# Altium PCB Ic Tester.PcbDoc
Units mm, origin at the board's own origin, x right, y up, seen from the top; angles counter-clockwise.
Board outline 59.69 x 84.96 mm, 2 copper layers (Top Layer, Bottom Layer); 56 components, 57 nets, 208 pads, 0 vias.
Unrouted connection lines stored in the file: 120.
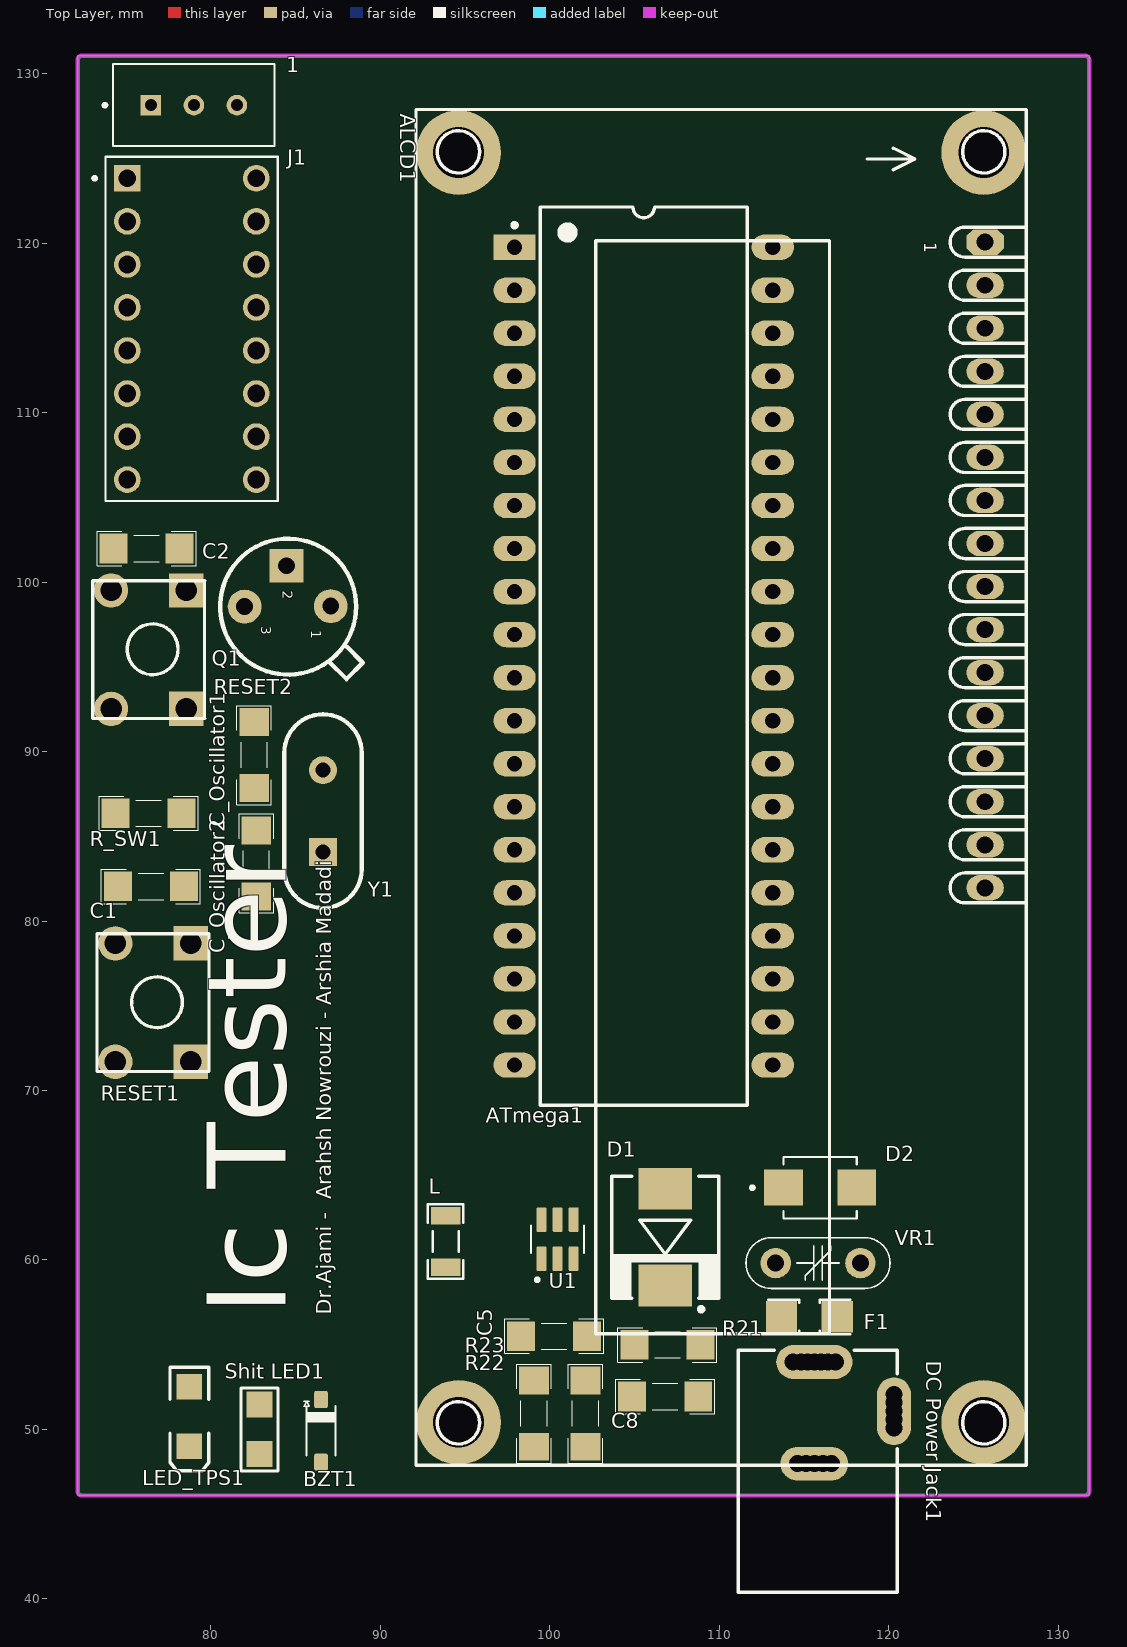
[diagram p0: Top Layer view]
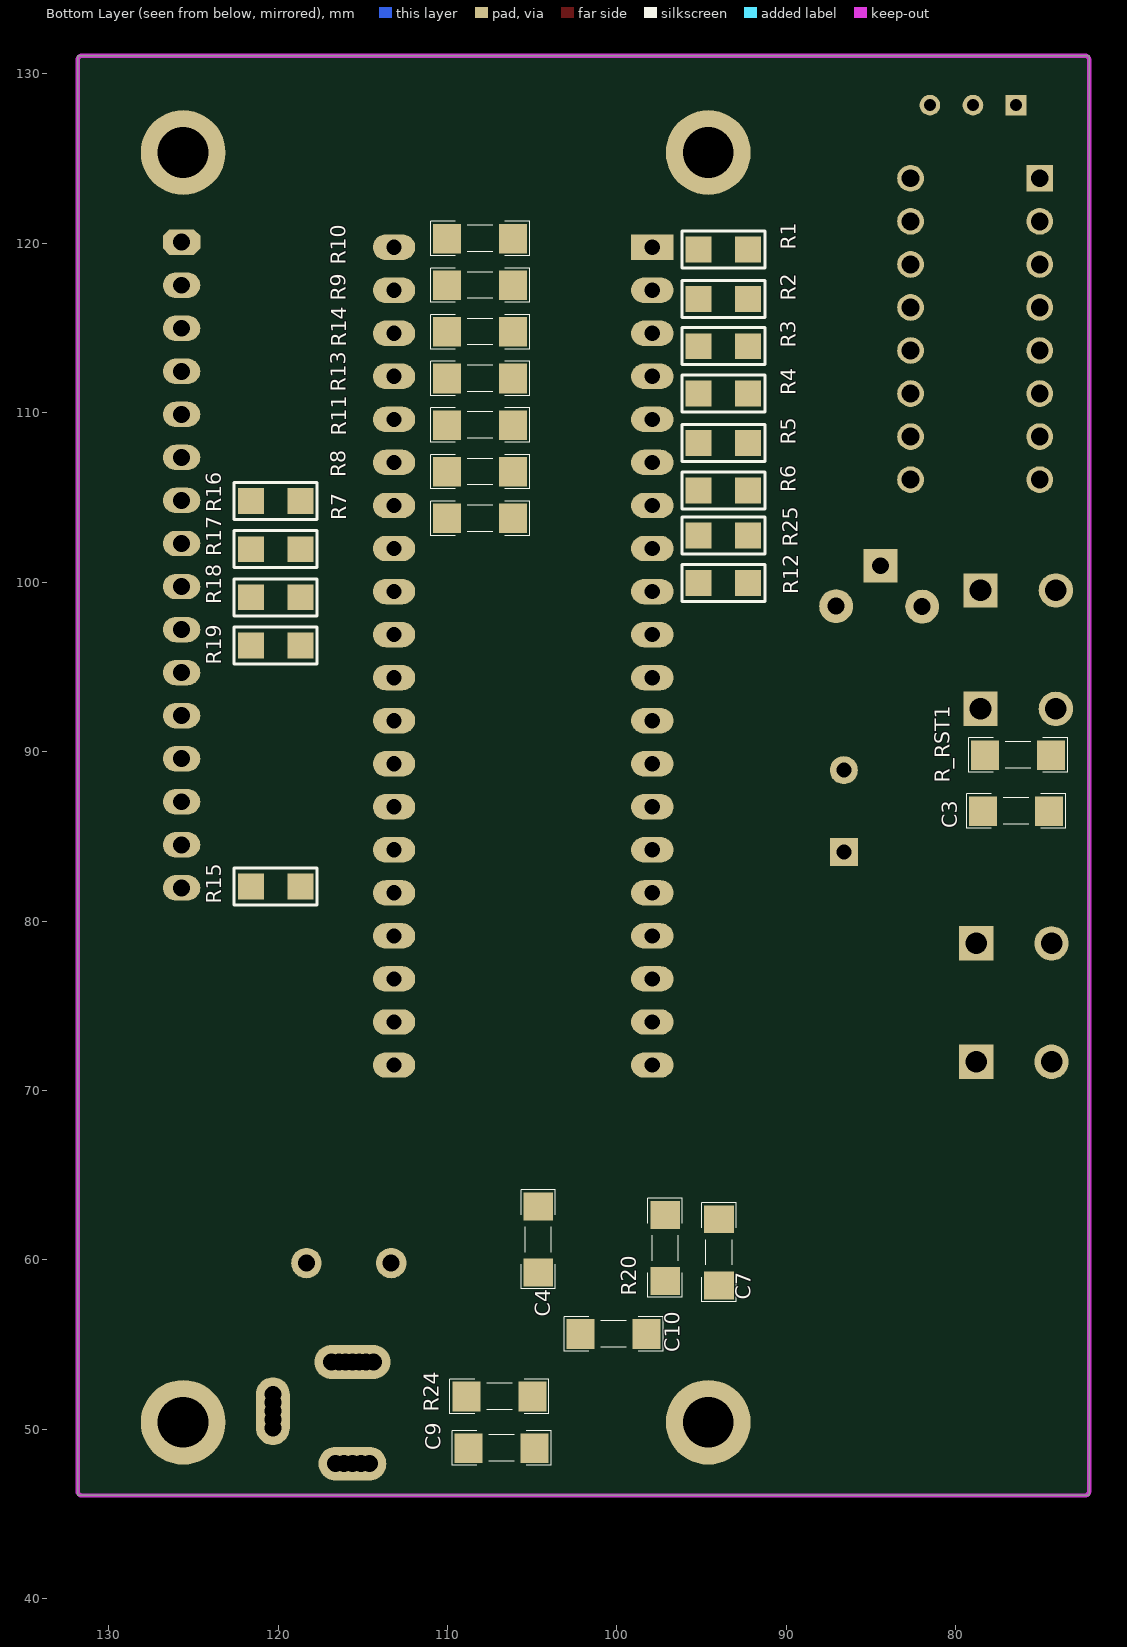
[diagram p1: Bottom Layer view, seen from below]

## Layer stack, top to bottom
Top Solder: solder mask 0.0102, Solder Resist, Dk 3.5
Top Layer: signal copper 0.0356
Dielectric 1: dielectric 0.32, FR-4, Dk 4.8
Bottom Layer: signal copper 0.0356
Bottom Solder: solder mask 0.0102, Solder Resist, Dk 3.5

## Board outline
72.136,46.101 72.136,131.064 131.826,131.064 131.826,46.101

## Design rules (kind name [scope] priority, off if disabled: settings)
Clearance [All] p1: gap=0.254 ignorepadtopadclearanceinfootprint=FALSE except(0: Arc-Hole Track-Hole SMDPad-Hole THPad-Hole Via-Hole Fill-Hole Poly-Hole Region-Hole Text-Hole)
PolygonConnect [All] p1: connectstyle=Relief reliefconductorwidth=0.254 reliefentries=4 polygonreliefangle="90 Angle" airgapwidth=0.254
RoutingVias [All] p1: holewidth=0.254 width=0.635 viastyle="Through Hole" minholewidth=0.254 minwidth=0.635 maxholewidth=0.8 maxwidth=1.27
SolderMaskExpansion [All] p1: expansion=0.102 istentingtop=FALSE
Width [All] p1: maxlimit=1.5 minlimit=0.25 preferedwidth=0.305 minimp=50.000000 maximp=50.000000 favimp=50.000000
30 further rules are at their usual default settings.

## Classes and differential pairs
component class MCU: 8Mhz
component class Power: 8Mhz TPS54202DDCR

## Components (designator, comment, footprint, x,y, rotation, side; value= is the part's Value field where it differs from the comment)
1 "POT" TRIM_3296W1103LF 78.994,128.143 r0 top
ALCD1 "LCD" "LCD_2X16 BLUE - 2.5mm" 109.39,90.593 r270 top
ATmega1 "ATmega16L-8PI" 40P6 105.537,95.631 r0 top
BZT1 "5.1V" SOD123 86.497,49.915 r270 top value=12V
C1 "100nF" CAPC4817X12N 76.454,82.042 r0 top
C2 "100nF" CAPC4817X12N 76.2,101.981 r0 top
C3 "100nF" CAPC4817X12N 76.454,86.487 r180 bottom
C4 "100nF" CAPC4817X12N 104.648,61.214 r270 bottom
C5 "10uF" CAPC4817X12N 100.248,55.499 r180 top
C7 "100nF" CAPC4817X12N 97.155,60.706 r270 bottom
C8 "22uF" CAPC4817X12N 106.807,51.943 r180 top
C9 "22uF" CAPC4817X12N 106.807,48.895 r180 bottom
C10 "75pF" CAPC4817X12N 100.203,55.626 r180 bottom
C_Oscillator1 "22pF" CAPC4817X12N 82.55,89.789 r270 top
C_Oscillator2 "22pF" CAPC4817X12N 82.677,83.394 r270 top
D1 "1n5822" DO-214AB(SMC) 106.807,61.341 r270 top
D2 "SMBJ16A" DIOM4336X265N 115.951,64.262 r0 top
"DC Power Jack1" "DC Power Jack" "DC Power Jack 1" 114.809,53.975 r90 top
F1 "F=3.0 A" "1206 FUSE" 115.316,56.642 r180 top
J1 "16 Pin Dip Socket" AMPHENOL_DILB16P-223TLF 78.867,114.935 r0 top
L "15uH" IND1206 93.853,61.087 r90 top value=1u
LED_TPS1 "SMD 1206 LED" "LED 1206" 78.733,50.763 r270 top
Q1 "2N2222" 2N2222 87.071,98.577 r270 top
R1 "330" 1206_Res 93.726,119.634 r180 bottom
R2 "330" 1206_Res 93.726,116.713 r180 bottom
R3 "330" 1206_Res 93.726,113.919 r180 bottom
R4 "330" 1206_Res 93.726,111.125 r180 bottom
R5 "330" 1206_Res 93.726,108.204 r180 bottom
R6 "330" 1206_Res 93.726,105.41 r180 bottom
R7 "330" RESC4817X04N 108.077,103.759 r0 bottom
R8 "330" RESC4817X04N 108.077,106.511 r0 bottom
R9 "330" RESC4817X04N 108.077,117.517 r0 bottom
R10 "330" RESC4817X04N 108.077,120.269 r0 bottom
R11 "330" RESC4817X04N 108.077,109.262 r0 bottom
R12 "1K" 1206_Res 93.726,99.949 r180 bottom
R13 "330" RESC4817X04N 108.077,112.014 r0 bottom
R14 "330" RESC4817X04N 108.077,114.766 r0 bottom
R15 "49K" 1206_Res 120.142,82.042 r180 bottom
R16 "10K" 1206_Res 120.142,104.775 r0 bottom
R17 "10K" 1206_Res 120.142,101.939 r0 bottom
R18 "10K" 1206_Res 120.142,99.102 r0 bottom
R19 "10K" 1206_Res 120.142,96.266 r0 bottom
R20 "49.9" RESC4817X04N 93.98,60.452 r90 bottom
R21 "511K" RESC4817X04N 106.934,54.991 r0 top
R22 "100K" RESC4817X04N 102.108,50.927 r270 top
R23 "105K" RESC4817X04N 99.06,50.927 r90 top
R24 "13K" RESC4817X04N 106.934,51.943 r180 bottom
R25 "330" 1206_Res 93.726,102.743 r180 bottom
R_RST1 "10K" RESC4817X04N 76.327,89.789 r180 bottom
R_SW1 "10K" RESC4817X04N 76.327,86.36 r180 top
RESET1 "Switch PB" "Switch - Push to On" 76.581,75.184 r270 top
RESET2 "Switch PB" "Switch - Push to On" 76.327,96.012 r270 top
"Shit LED1" "330" 1206_Res 82.865,50.003 r90 top
U1 "TPS54202DDCR" SOT95P280X110-6N 100.457,61.226 r90 top
VR1 "7D270K" "07D XXX" 115.824,59.817 r0 top value=xxDxxx
Y1 "8Mhz" Crystal 86.614,86.487 r90 top

## Footprints (in the part's own frame and the unit in brackets; to place one, negate y for a bottom-side part, rotate by r counter-clockwise, add the part's x,y. Pads: shape width x height; smd on the part's side, far side on the other; paste and mask are expansions set on the pad)
2N2222 [mm] "NPN Transistor"
  round 2 hole 1: 1(0,0) 3(0.025,-5.08)
  rect 2x2 hole 1: 2(-2.388,-2.616)
  silkscreen extent -3.98,-6.52 4.31,1.89, body extent -2.78,-5.3 2.81,0.3, height 6.6
"07D XXX" [mm] "MOV-07DxxxK Metal Oxide Varistors (MOVs) are 7 mm-Design:Abbas Basereh"
  round 1.8 hole 1: 1(2.5,0) 2(-2.5,0)
  silkscreen extent -4.25,-1.5 4.25,1.5, body extent -4,-1.26 4,1.25, height 11
40P6 [mm] "DIP, 40-Leads, Row Spacing 15.24mm, Pitch 2.54mm, Body 52.2x13.95mm"
  rect 2.5x1.5 hole 0.9: 1(-7.62,24.13)
  oval 2.5x1.5 hole 0.9: 2(-7.62,21.59) 3(-7.62,19.05) 4(-7.62,16.51) 5(-7.62,13.97) 6(-7.62,11.43) 7(-7.62,8.89) 8(-7.62,6.35) 9(-7.62,3.81) 10(-7.62,1.27) 11(-7.62,-1.27) 12(-7.62,-3.81) 13(-7.62,-6.35) 14(-7.62,-8.89) 15(-7.62,-11.43) 16(-7.62,-13.97) 17(-7.62,-16.51) 18(-7.62,-19.05) 19(-7.62,-21.59) 20(-7.62,-24.13) 21(7.62,-24.13) 22(7.62,-21.59) 23(7.62,-19.05) 24(7.62,-16.51) 25(7.62,-13.97) 26(7.62,-11.43) 27(7.62,-8.89) 28(7.62,-6.35) 29(7.62,-3.81) 30(7.62,-1.27) 31(7.62,1.27) 32(7.62,3.81) 33(7.62,6.35) 34(7.62,8.89) 35(7.62,11.43) 36(7.62,13.97) 37(7.62,16.51) 38(7.62,19.05) 39(7.62,21.59) 40(7.62,24.13)
  silkscreen extent -7.74,-26.5 6.1,26.5, body extent -8.7,-26.13 8.9,26.13, height 7.89
"1206 FUSE" [mm] "Fast Acting Smd 1206 non-Resettable Fuse Chip For Pcb Board-Design:Abbas Basereh"
  rect 1.85x1.85 smd: 1(-1.65,0) 2(1.65,0)
  silkscreen extent -2.41,-1.02 2.41,1.02, body extent -1.6,-0.8 1.6,0.8, height 1
1206_Res [mil] "1206 footprint"
  rect 60x60 smd: 1(-57.5,0) 2(57.5,0)
  silkscreen extent -96,-43 96,43, body extent -63,-33 63,30, height 39
AMPHENOL_DILB16P-223TLF [mm]
  rect 1.575x1.575 hole 1.05: 01(-3.81,8.89)
  round 1.575 hole 1.05: 02(-3.81,6.35) 03(-3.81,3.81) 04(-3.81,1.27) 05(-3.81,-1.27) 06(-3.81,-3.81) 07(-3.81,-6.35) 08(-3.81,-8.89) 09(3.81,-8.89) 10(3.81,-6.35) 11(3.81,-3.81) 12(3.81,-1.27) 13(3.81,1.27) 14(3.81,3.81) 15(3.81,6.35) 16(3.81,8.89)
  silkscreen extent -5.83,-10.16 5.08,10.16, body extent -5.08,-10.03 5.08,10.29, height 5.25
CAPC4817X12N [mm] "Chip Capacitor, 2-Leads, Body 4/80x1/70mm, IPC Medium Density-Design:Abbas Basereh"
  rect 1.65x1.75 smd: 1(-1.95,0) 2(1.95,0)
  silkscreen extent -2.92,-1.02 2.92,1.02, body extent -1.6,-0.8 1.6,0.8, height 1
Crystal [mil] "16 Mhz Crystal footprint"
  rect 65x65 hole 35: 1(-95,0)
  round 65 hole 35: 2(95,0)
  silkscreen extent -225,-90 225,90, body extent -220,-89 220,95, height 143
"DC Power Jack 1" [mm] "Power Adaptor Jack"
  round 1.5 hole 1: 1(0,0.45) 1(0,0) 1(0,-0.4) 1(0,-1.2) 1(0,-1.6) 1(0,-2.05) 2(-6,-1.8) 2(-6,-1.3) 2(-6,-0.3) 2(-6,0.2) 3(-3.9,-5.5) 3(-3.4,-5.5) 3(-2.4,-5.5) 3(-1.9,-5.5)
  oval 2x4.5 hole 1: 1(0,-0.8)
  oval 2x4 hole 1: 2(-6,-0.8)
  oval 4x2 hole 1: 3(-2.9,-5.5)
  silkscreen extent -13.59,-5.7 0.7,3.7, body extent -13.68,-5.74 0.72,3.66, height 11.05
DIOM4336X265N [mm]
  rect 2.28x2.12 smd: A(2.165,0) C(-2.165,0)
  silkscreen extent -4.1,-1.81 2.16,1.81, body extent -2.68,-1.81 2.68,1.81, height 2.65
DO-214AB(SMC) [mm] "Molded Diode, 2-Leads, Body 6/85x5/90mm, IPC Medium Density DESIGNER ABBAS BASEREH"
  rect 2.45x3.15 smd: 1(-2.85,0) 2(2.85,0)
  silkscreen extent -3.6,-3.2 4.37,3.15, body extent -3.77,-3.11 3.77,3.11, height 2.62
IND1206 [mm] "Chip Inductor, 2-Leads, Body 3/20x1/60mm, IPC Medium Density DESIGNER:ABBAS BASEREH"
  rect 1.04x1.74 smd: 1(-1.51,0) 2(1.51,0)
  silkscreen extent -2.2,-1.05 2.2,1.05, body extent -1.65,-0.85 1.65,0.85, height 0.94
"LCD_2X16 BLUE - 2.5mm" [mm] "LCD 2x16 Alphanumberic-Designer Abbas Basereh"
  oct 1.5x2.2 hole 1: 1(-29.464,16.3)
  oval 1.5x2.2 hole 1: 2(-26.924,16.3) 3(-24.384,16.3) 4(-21.844,16.3) 5(-19.304,16.3) 6(-16.764,16.3) 7(-14.224,16.3) 8(-11.684,16.3) 9(-9.144,16.3) 10(-6.604,16.3) 11(-4.064,16.3) 12(-1.524,16.3) 13(1.016,16.3) 14(3.556,16.3) 15(6.096,16.3) 16(8.636,16.3)
  round 5 hole 3: ""(-34.756,16.213) ""(-34.756,-14.775) ""(40.174,16.213) ""(40.174,-14.775)
  silkscreen extent -37.3,-17.29 42.7,18.71, body extent -37.04,-17.31 42.96,18.69, height 12.3
"LED 1206" [mm]
  rect 1.5x1.5 smd: 1(-1.75,0) 2(1.75,0)
  silkscreen extent -2.9,-1.15 3.2,1.15, body extent -1.65,-0.72 1.65,0.73, height 1.36
RESC4817X04N [mm] "Chip Resistor, 2-Leads, Body 4/80x1/70mm, IPC Medium Density-Design:Abbas Basereh"
  rect 1.65x1.75 smd: 1(-1.95,0) 2(1.95,0)
  silkscreen extent -2.92,-1.02 2.92,1.02, body extent -1.6,-0.8 1.6,0.8, height 1
SOD123 [mm] "SOD-123; 2 Leads; Body 2.7 x 1.6 mm, (LxW)"
  round 0.508 on Mech15: 0(0,0)
  rrect25% 1x0.8 smd: 1(1.85,0) 2(-1.85,0)
  silkscreen extent -1.75,-1 1.45,0.85, body extent -1.85,-0.8 1.85,0.8, height 1.25
SOT95P280X110-6N [mm]
  rrect25% 1.45x0.59 smd: 1(-1.155,0.95) 2(-1.155,0) 3(-1.155,-0.95) 4(1.155,-0.95) 5(1.155,0) 6(1.155,0.95)
  silkscreen extent -2.5,-1.56 0.8,1.56
"Switch - Push to On" [mil]
  rect 80x80 hole 50: 1(-137.5,87.5) 1(137.5,87.5)
  round 80 hole 50: 2(-137.5,-87.5) 2(137.5,-87.5)
  silkscreen extent -160,-130 160,130, body extent -155,-121 157,123, height 205
TRIM_3296W1103LF [mm]
  rect 1.218x1.218 hole 0.71: 1(-2.54,0)
  round 1.218 hole 0.71: 2(0,0) 3(2.54,0)
  silkscreen extent -5.35,-2.41 4.76,2.42

## Part data
1: library part 3296W1103LF, "Trimmer, Potentiometer 10kohm 25turn Thd", Package=None, Availability=Unavailable, Check_prices=https://www.snapeda.com/parts/3296W1103LF/Bourns/view-part/2487625/?ref=eda, MF=Bourns, MP=3296W1103LF, Price=None, SnapEDA_Link=https://www.snapeda.com/parts/3296W1103LF/Bourns/view-part/2487625/?ref=snap
ALCD1: "Alphanumic LCD", Data=16-12-2016, Designer="Abbas Basereh"
ATmega1: "8-Bit AVR Microcontroller with 16K Bytes of In-System Programmable Flash Memory", Supplier Part Number 1=ATMEGA16L-8PI-ND, Code_JEDEC=MS-011-AC, ComponentLink1Description=Datasheet, ComponentLink1URL=http://www.atmel.com/dyn/resources/prod_documents/doc2466.pdf, ComponentLink2Description="Atmel.com Home", ComponentLink2URL=http://www.atmel.com, DatasheetVersion=2466E-AVR-10/02, PackageDescription="40-lead (0.600\"/15.24mm Wide) Plastic Dual Inline Package (PDIP)", PackageReference=40P6, PackageVersion=2017-1-4, Published=2017-1-4, Publisher="Abbas Basereh", Supplier 1=Digi-Key, Supplier 2=Mouser, Supplier Part Number 2=556-ATMEGA16L-8PI
BZT1: library part "ZENER GENERAL DIODE", "DIODE ZENER GENERAL", ComponentLink1Description="Manufacturer Link", ComponentLink2Description=Datasheet, PackageDescription="DIODE GEN ZENER", PackageReference="DO 35", PackageVersion=2017-1-12, Published=2017-1-12, Publisher="Abbas Basereh"
C1 C2 C3 C4 C5 C7 C8 C9 C10 C_Oscillator1 C_Oscillator2: library part "CAP SMD 1206", "CAP 1206", Data=16-12-2016, Desc.="CAP SMD 1206", Designer="Abbas Basereh"
D1: library part "1N5822 SMD", "Schottky Rectifiers", Manufacturer="ON Semiconductor/Fairchild", Data=16-12-2016, Designer="Abbas Basereh", Link=https://www.aliexpress.com/item/Free-shipping-100pcs-1n5822-sma-smd-do-214ac-Schottky-diode-ss34/32337482329.html?spm=2114.01010208.3.1.zLZDsP&ws_ab_test=searchweb0_0,searchweb201602_4_10065_10068_10084_10083_10080_10082_10081_10060_10061_10062_10056_10055_10054_10059_10099_10078_10079_427_10073_10103_10102_10096_10052_10050_10051,searchweb201603_4&btsid=6e50dc92-ac69-45bc-a19e-209af19ce602, Part. No=SS34
D2: "600W, 18.8V, 5%, Unidirectional, TVS", Package="SMD-2-2 Avago", Availability="In Stock", Check_prices=https://www.snapeda.com/parts/SMBJ16A/Taiwan+Semiconductor/view-part/?ref=eda, MF="Taiwan Semiconductor", MP=SMBJ16A, Price=None, Purchase-URL=https://pricing.snapeda.com/search/part/SMBJ16A/?ref=eda, SnapEDA_Link=https://www.snapeda.com/parts/SMBJ16A/Taiwan+Semiconductor/view-part/?ref=snap
"DC Power Jack1": "DC Power Jack. Center Pin 2.5mm. Diameter: 5.7mm", Adding Date=10/21/2009, Company=Personal, Designer="Ali Hafizi", Project Name=Laser
F1: library part "Fuse SMD1206", "SMD Fuses 1206", Data=16-12-2016, Desc.="SMD Fuses 1206", Designer="Abbas Basereh"
J1: library part DILB16P-223TLF, "DIP Socket, Stamped and Formed", Package=None, Availability="In Stock", Check_prices=https://www.snapeda.com/parts/DILB16P-223TLF/Amphenol+FCI/view-part/?ref=eda, MF="Amphenol ICC (FCI)", MP=DILB16P-223TLF, Price=None, SnapEDA_Link=https://www.snapeda.com/parts/DILB16P-223TLF/Amphenol+FCI/view-part/?ref=snap
L: library part "INDUCTOR SMD PACKAGE", "TOTAL INDUCTOR SMD PACK", Data=2017-3-10, Desc.="INDUCTOR  SMD TOTAL PACKAGES", Designer="Abbas Basereh"
LED_TPS1: library part "LED SMD 1206"
Q1: "NPN Transistor"
R1 R2 R3 R4 R5 R6 R12 R15 R16 R17 R18 R19 R25 "Shit LED1": library part Res, "Resistor", LatestRevisionDate=17-Jul-2002, LatestRevisionNote="Re-released for DXP Platform.", PackageReference=AXIAL-0.3, Published=8-Jun-2000, Publisher="Altium Limited"
R7 R8 R9 R10 R11 R13 R14 R20 R21 R22 R23 R24 R_RST1 R_SW1: library part "RES 1206 0.25W", "RES 1206", Data=16-12-2016, Desc.="RES SMD 1206", Designer="Abbas Basereh"
RESET1 RESET2: "Push Button Switch"
U1: "4.5V to 28V Input, 2A Output, EMI Friendly Synchronous Step-Down Converter 6-SOT-23-THIN -40 to 125", Package="SOT-23-THN-6 Texas Instruments", Availability=Good, DigiKey-Purchase-URL=https://snapeda.com/shop?store=DigiKey&id=565860, MF="Texas Instruments", Mouser-Purchase-URL=https://snapeda.com/shop?store=Mouser&id=565860, MP=TPS54202DDCR, Price=None, SnapEDA_Link=https://www.snapeda.com/parts/TPS54202DDCR/Texas%20Instruments/view-part/565860/?ref=snap, Texas_Instruments-Purchase-URL=https://snapeda.com/shop?store=Texas+Instruments&id=565860
VR1: library part "VARISTOR (VDR)", "VARISTORS", Manufacturer=china-canada-philipina, Data=2017-1-5, Designer="Abbas Basereh", Link=digikey.com, Models=MOV-VDR-COV, Publisher="ABBAS BASEREH"
Y1: library part XTAL, "Crystal Oscillator", LatestRevisionDate=17-Jul-2002, LatestRevisionNote="Re-released for DXP Platform.", PackageReference=R38, Published=8-Jun-2000, Publisher="Altium Limited"

## Nets (pads, with @x,y where several pads share a name; then routed paths per layer and width w, separated by ;. In a path a pad name is that pad's centre, name@x,y a point inside that pad or via, vN(x,y) a via of type N, cw(c..) or ccw(c..) an arc to the next point about the centre after c; other vN are vias at no path point)
12V: "DC Power Jack1.1" F1.1
+5: 1.3 "Shit LED1.2" ALCD1.2 ALCD1.15 ATmega1.10 BZT1.2 C3.2 C8.2 C9.2 J1.01 L.2 R20.2 R_RST1.2 R_SW1.2
GND: 1.1 "DC Power Jack1.2" ALCD1.1 ATmega1.11 ATmega1.31 BZT1.1 C1.1 C2.1 C3.1 C4.2 C5.2 C8.1 C9.1 C_Oscillator1.1 C_Oscillator2.1 D2.A J1.09 LED_TPS1.2 Q1.1 R15.2 R16.1 R17.1 R18.1 R19.1 R23.1 R24.1 RESET1.2 RESET2.2 U1.1 VR1.1
LCD_D4: ALCD1.11 ATmega1.17
LCD_D5: ALCD1.12 ATmega1.18
LCD_D6: ALCD1.13 ATmega1.19
LCD_D7: ALCD1.14 ATmega1.20
LCD_EN: ALCD1.6 ATmega1.16
LCD_RS: ALCD1.4 ATmega1.14
LCD_RW: ALCD1.5 ATmega1.15
Net1_2: 1.2 ALCD1.3
NetALCD1_7: ALCD1.7 R16.2
NetALCD1_8: ALCD1.8 R17.2
NetALCD1_9: ALCD1.9 R18.2
NetALCD1_10: ALCD1.10 R19.2
NetALCD1_16: ALCD1.16 R15.1
NetC4_1: C4.1 C5.1 D1.2 R21.2 U1.3
NetC7_1: C7.1 U1.6
NetC7_2: C7.2 L.1 U1.2
NetC10_1: C10.1 R21.1 R22.1 R23.2 R24.2 U1.4 U1.5
NetC10_2: C10.2 R20.1 R22.2
NetD1_1: D1.1 D2.C F1.2 VR1.2
NetJ1_02: J1.02 R10.1
NetJ1_03: J1.03 R9.1
NetJ1_04: J1.04 R14.1
NetJ1_05: J1.05 R13.1
NetJ1_06: J1.06 R11.1
NetJ1_07: J1.07 R8.1
NetJ1_08: J1.08 R7.1
NetJ1_10: J1.10 Q1.3 R25.2
NetJ1_11: J1.11 R6.2
NetJ1_12: J1.12 R5.2
NetJ1_13: J1.13 R4.2
NetJ1_14: J1.14 R3.2
NetJ1_15: J1.15 R2.2
NetJ1_16: J1.16 R1.2
NetLED_TPS1_1: "Shit LED1.1" LED_TPS1.1
NetQ1_2: Q1.2 R12.2
OSC_IN: ATmega1.12 C_Oscillator1.2 Y1.2
OSC_OUT: ATmega1.13 C_Oscillator2.2 Y1.1
PA0: ATmega1.40 R10.2
PA1: ATmega1.39 R9.2
PA2: ATmega1.38 R14.2
PA3: ATmega1.37 R13.2
PA4: ATmega1.36 R11.2
PA5: ATmega1.35 R8.2
PA6: ATmega1.34 R7.2
PB0: ATmega1.1 R1.1
PB1: ATmega1.2 R2.1
PB2: ATmega1.3 R3.1
PB3: ATmega1.4 R4.1
PB4: ATmega1.5 R5.1
PB5: ATmega1.6 R6.1
PB6: ATmega1.7 R25.1
PB7: ATmega1.8 R12.1
Rest: ATmega1.9 C2.2 R_RST1.1 RESET2.1
SW: ATmega1.22 C1.2 R_SW1.1 RESET1.1
pads on no net: "DC Power Jack1.3" ALCD1. ATmega1.21 ATmega1.23 ATmega1.24 ATmega1.25 ATmega1.26 ATmega1.27 ATmega1.28 ATmega1.29 ATmega1.30 ATmega1.32 ATmega1.33 BZT1.0

## Keep-outs
Keep-Out Layer:
  lines w0.254: 72.136,46.355 ccw(c72.39,46.355) 72.39,46.101 131.572,46.101 ccw(c131.572,46.355) 131.826,46.355 131.826,130.81 ccw(c131.572,130.81) 131.572,131.064 72.39,131.064 ccw(c72.39,130.81) 72.136,130.81 72.136,46.355

## Silkscreen, mask and mechanical layers (free items; w line width, h text height)
Top Overlay:
  text "Ic Tester" at 85.956,56.769 h8 r90
  text "Dr.Ajami -  Arahsh Nowrouzi - Arshia Madadi" at 87.41,56.769 h1.5 r90

## Dimensions
72.136,130.81 to 131.826,131.064 on Mechanical 15
72.39,131.064 to 130.048,46.609 on Mechanical 15

## Text inside footprints (layer, text, board x,y; h text height)
ALCD1: Top Overlay "1" at 121.836,120.057 h1.27 r270
Q1: Top Overlay "3" at 82.753,97.384 h1 r270; Top Overlay "2" at 84.023,99.492 h1 r270; Top Overlay "1" at 85.7,97.155 h1 r270